# Altium PCB ROS-Robot-Controller.PcbDoc (part 2 of 2)
Units mm, origin at the board's own origin, x right, y up, seen from the top; angles counter-clockwise.
Board outline 50.09 x 64.29 mm, 2 copper layers (Top Layer, Bottom Layer); 98 components, 94 nets, 456 pads, 334 vias.
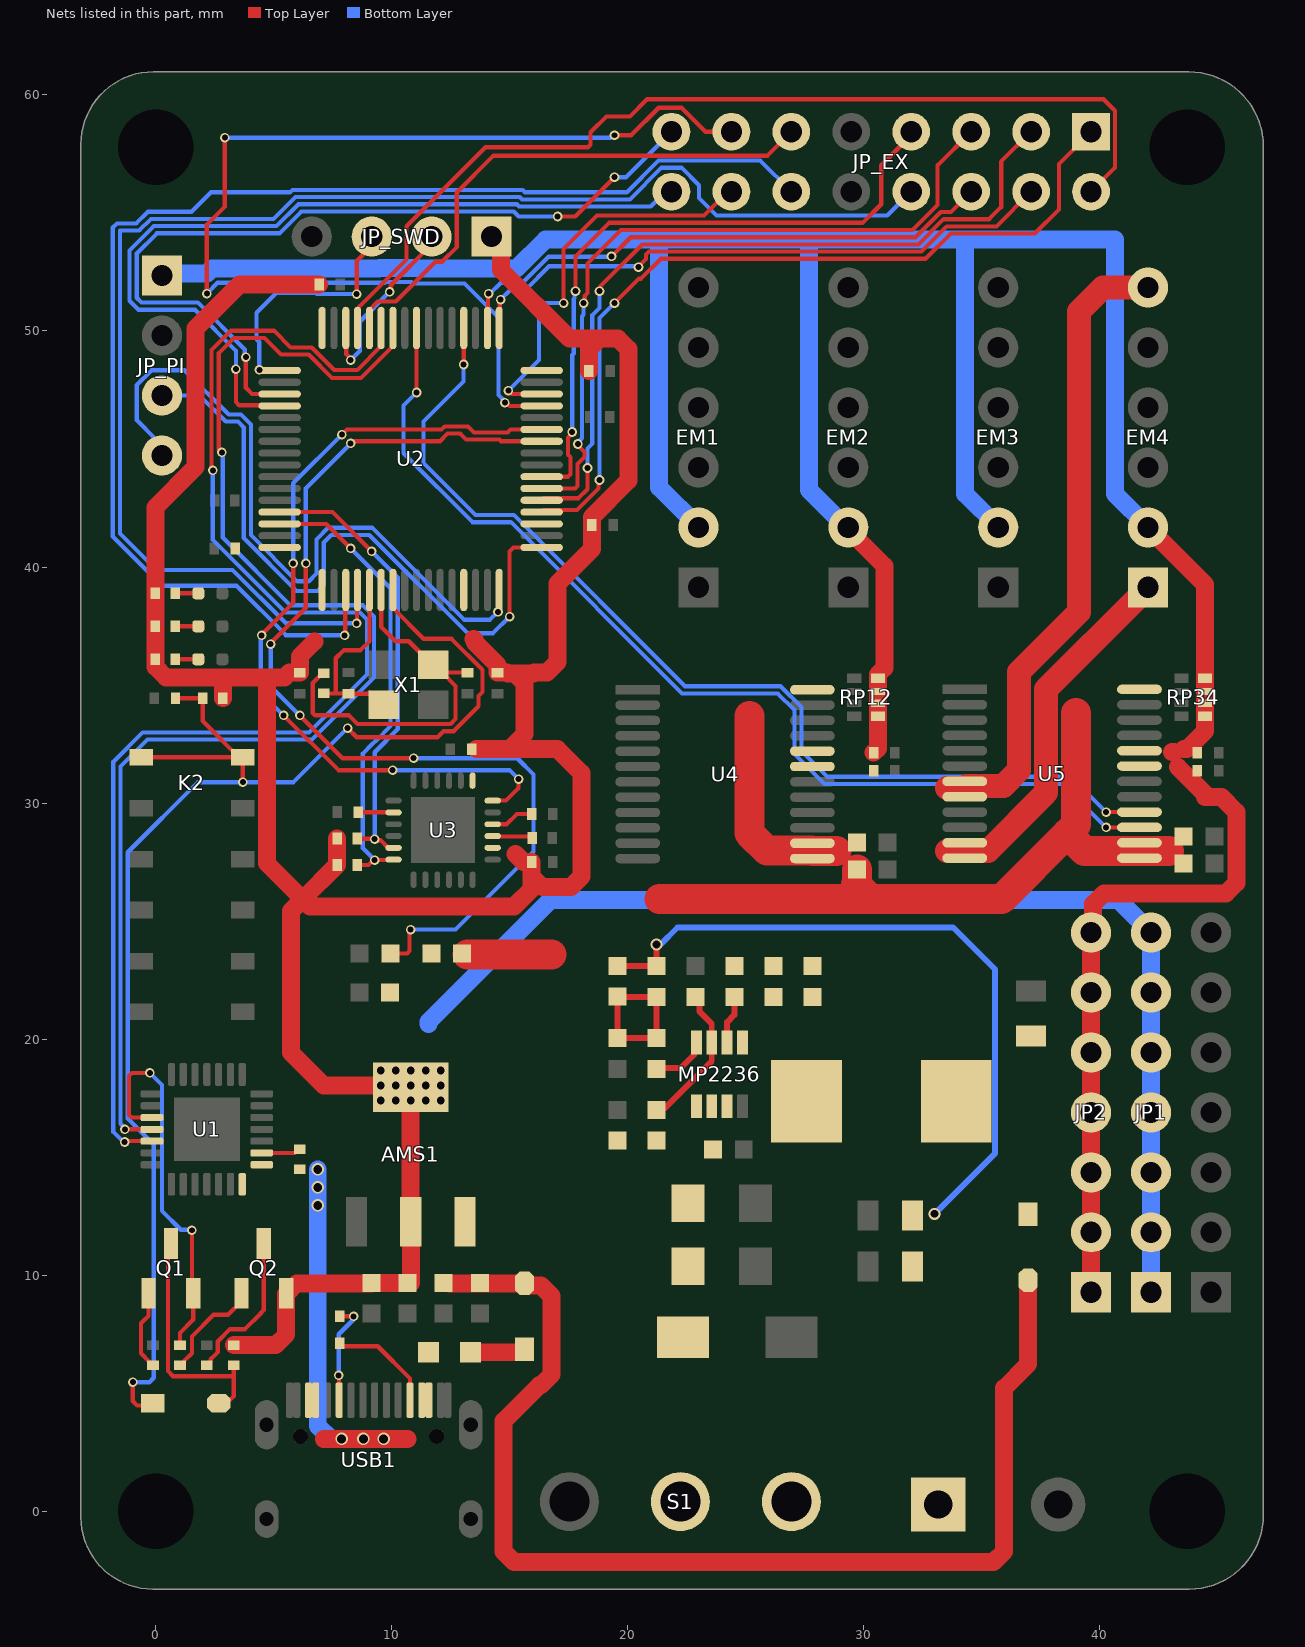
[diagram p2: the nets of this part, all layers, seen from the top]

## Via types
v1: diameter 0.406, hole 0.254, Top Layer to Bottom Layer, tented both sides, 311 vias
v2: diameter 0.508, hole 0.33, Top Layer to Bottom Layer, tented both sides, 17 vias
v3: diameter 0.533, hole 0.381, Top Layer to Bottom Layer, tented both sides, 6 vias

## Nets (pads, with @x,y where several pads share a name; then routed paths per layer and width w, separated by ;. In a path a pad name is that pad's centre, name@x,y a point inside that pad or via, vN(x,y) a via of type N, cw(c..) or ccw(c..) an arc to the next point about the centre after c; other vN are vias at no path point) (continued)
M4IN2: U2.36 U5.16 | length 44
  Top Layer w0.178: v1(13.039,48.579) 13.045,48.586 U2.36@13.045,50.127 ; v1(40.259,29.617) U5.16@41.673,29.617
  Bottom Layer w0.178: v1(13.039,48.579) 13.039,47.86 11.341,46.162 11.341,44.41 13.546,42.205 15.165,42.205 22.421,34.948 26.47,34.948 27.356,34.062 27.356,32.205 28.451,31.11 38.766,31.11 v1(40.259,29.617)
M4OUT1: EM4.1 U5.11 U5.12 | length 15.7
  Top Layer w1.016: 33.528,27.963 34.273,27.963 34.285,27.975 35.256,27.975 37.719,30.438 37.719,34.821 41.695,38.797 EM4.1@42.037,39.139
M4OUT2: EM4.6 U5.7 U5.8 | length 27.2
  Top Layer w1.016: 33.528,30.63 34.273,30.63 34.375,30.732 35.912,30.732 36.576,31.396 36.576,35.56 39.116,38.1 39.116,50.823 40.132,51.839 EM4.6@42.037,51.839
M4PWM: U2.40 U5.15 | length 44.4
  Top Layer w0.178: U2.40@11.045,50.127 11.047,50.125 11.047,47.396 v1(11.049,47.394) ; v1(40.259,28.967) U5.15@41.673,28.967
  Bottom Layer w0.178: v1(11.049,47.394) 10.497,46.842 10.497,44.822 13.42,41.9 15.039,41.9 22.295,34.643 26.344,34.643 27.051,33.936 27.051,32.079 28.325,30.805 38.421,30.805 v1(40.259,28.967)
MPU6050_INT: U2.27 U3.12 | length 35.3
  Top Layer w0.178: v1(4.483,37.107) 4.483,37.145 5.817,38.479 v1(5.817,40.155) ; v1(5.41,33.716) 7.734,31.392 v1(10.033,31.392) ; v1(7.878,45.612) 8.093,45.827 12.103,45.827 12.235,45.959 13.223,45.959 13.477,45.705 14.906,45.705 15.028,45.827 U2.27@16.345,45.827 ; U3.12@14.269,30.102 14.839,30.102 15.367,30.63 v1(15.367,31.011)
  Bottom Layer w0.178: v1(4.483,37.107) 4.445,37.069 4.445,34.681 v1(5.41,33.716) ; v1(5.817,40.155) 5.817,43.551 v1(7.878,45.612) ; v1(10.033,31.392) 14.986,31.392 v1(15.367,31.011)
MPU6050_SCL: R10.1 U2.61 U3.23 | length 19.3
  Top Layer w0.178: U2.61@5.245,42.327 7.48,42.327 v1(9.144,40.663) ; R10.1@8.528,28.497 8.541,28.484 9.258,28.484 9.315,28.427 9.519,28.427 9.844,28.102 U3.23@10.069,28.102
  Bottom Layer w0.178: v1(9.144,40.663) 10.249,39.558 10.249,33.132 9.271,32.154 v1(9.271,28.471)
MPU6050_SDA: R8.1 U2.62 U3.24 | length 19.7
  Top Layer w0.178: U2.62@5.245,41.827 7.218,41.827 v1(8.255,40.79) ; R8.1@8.528,27.38 9.007,27.38 9.209,27.582 v1(9.271,27.582) 9.281,27.592 10.059,27.592 U3.24@10.069,27.602
  Bottom Layer w0.178: v1(8.255,40.79) 9.944,39.101 9.944,33.259 9.323,32.637 9.304,32.637 9.144,32.477 8.769,32.102 8.769,31.646 8.763,31.641 8.763,28.09 v1(9.271,27.582)
NetC4_1: C4.1 MP2236.7 R7.2 | length 6.2
  Top Layer w0.254: R7.2@21.209,16.993 21.463,17.05 21.533,17.05 ccw(c21.373,17.247) 21.552,17.067 23.551,19.066 MP2236.7@23.551,19.854 23.551,20.649 23.025,21.175 23.025,21.624 C4.1@22.86,21.789
NetC5_1: C5.1 L1.1 MP2236.3
NetC5_2: C5.2 R2.2
NetC9_2: C9.2 R3.2 R4.1 R5.2 | length 6.8
  Top Layer w0.254: R5.2@19.558,20.041 R3.2@21.209,20.041 C9.2@21.209,21.789 19.573,21.789 R4.1@19.558,21.804 R5.2@19.558,20.041
NetC32_2: C32.2 U3.10 | length 1.8
  Top Layer w0.178: U3.10@14.269,29.102 14.855,29.102 15.292,29.539 C32.2@15.924,29.539
NetC33_1: C33.1 U3.20 | length 1.5
  Top Layer w0.178: C33.1@8.578,29.614 8.584,29.608 10.063,29.608 U3.20@10.069,29.602
NetD2_2: D2.2 Q1.3 R21.2 | length 10.4
  Top Layer w0.178: Q1.3@0.635,11.337 0.508,11.21 0.508,5.932 0.725,5.715 3.302,5.715 ; D2.2@2.67,4.699 2.706,4.735 3.167,4.735 3.302,4.87 3.302,5.715 ; R21.2@3.302,6.179 3.302,5.715
NetD4_1: D4.1 F1.2 | length 2.4
  Top Layer w0.762: F1.2@13.335,6.731 15.597,6.731 15.621,6.755 D4.1@15.621,6.855
NetLED_BLUE_1: LED_BLUE.1 R16.1 | length 1
  Top Layer w0.178: R16.1@0.827,36.091 LED_BLUE.1@1.799,36.091
NetLED_GREEN_1: LED_GREEN.1 R15.1 | length 1
  Top Layer w0.178: R15.1@0.827,37.488 LED_GREEN.1@1.799,37.488
NetLED_PW_1: LED_PW.1 R17.1 | length 1
  Top Layer w0.178: R17.1@0.827,38.885 LED_PW.1@1.799,38.885
NetMP2236_1: MP2236.1 R6.1 R7.1
NetMP2236_5: MP2236.5 R2.1
NetMP2236_6: MP2236.6 R1.2 | length 2.1
  Top Layer w0.254: MP2236.6@24.201,19.854 24.201,20.716 24.511,21.026 R1.2@24.511,21.789
NetMP2236_8: MP2236.8 R3.1 | length 2.4
  Top Layer w0.254: R3.1@21.209,18.741 21.244,18.775 22.245,18.775 22.799,19.33 22.799,19.753 MP2236.8@22.901,19.854
NetQ1_1: Q1.1 R22.2 | length 3.4
  Top Layer w0.178: Q1.1@-0.315,9.237 -0.315,8.275 -0.526,8.064 -0.531,8.064 -0.635,7.96 -0.635,6.687 -0.288,6.34 -0.288,6.29 -0.177,6.179 R22.2@-0.127,6.179
NetQ2_1: Q2.1 R23.2 | length 4.5
  Top Layer w0.178: R23.2@1.016,6.179 1.066,6.179 1.177,6.29 1.177,6.34 1.524,6.687 1.524,7.399 2.444,8.319 3.054,8.319 3.622,8.887 Q2.1@3.622,9.237
NetQ2_3: Q2.3 R24.1 | length 6.4
  Top Layer w0.178: R24.1@2.269,6.239 2.32,6.29 2.32,6.435 2.498,6.613 2.625,6.74 2.625,7.196 3.138,7.709 3.78,7.709 4.443,8.371 4.443,8.39 4.572,8.519 Q2.3@4.572,11.337
NetR11_2: R11.2 U3.9 | length 1.7
  Top Layer w0.178: U3.9@14.269,28.602 14.283,28.588 15.884,28.588 R11.2@15.949,28.523
NetR20_1: R20.1 U1.9 | length 1.7
  Top Layer w0.178: U1.9@4.483,15.175 5.891,15.175 6.046,15.33 R20.1@6.096,15.33
NetR25_2: R25.2 USB1.A5 | length 4.4
  Top Layer w0.178: v1(7.747,5.753) 7.757,5.743 7.757,4.712 USB1.A5@7.767,4.702 ; R25.2@7.902,8.366 R25.2@7.791,8.255 v1(8.382,8.255)
  Bottom Layer w0.178: v1(7.747,5.753) 7.747,7.493 v1@8.382,8.128
NetR26_2: R26.2 USB1.B5 | length 4.5
  Top Layer w0.178: R26.2@7.791,7.112 7.791,7.096 7.902,6.985 9.398,6.985 10.767,5.616 USB1.B5@10.767,4.702
NetS1_1: S1.1 VIN1.1
OSCIN: C35.1 R13.2 U2.5 X1.3 | length 8.8
  Top Layer w0.178: R13.2@7.239,34.65 7.248,34.641 7.62,34.641 7.701,34.641 ; X1.3@9.037,34.674 9.091,34.674 9.106,34.659 X1.3@9.106,34.632 ; U2.5@9.045,39.027 9.045,36.852 8.67,36.477 7.964,36.477 7.62,36.133 7.62,34.721 7.701,34.641 ; X1.3@9.652,34.163 X1.3@9.602,34.163 ; 7.701,34.641 8.153,34.641 C35.1@8.162,34.632 X1.3@9.106,34.632 ; X1.3@9.106,34.632 9.106,34.605 9.548,34.163 X1.3@9.602,34.163 ; X1.3@9.106,34.632 9.133,34.632 X1.3@9.602,34.163
OSCOUT: C10.1 R13.1 U2.6 X1.1 | length 16.5
  Top Layer w0.178: R13.1@7.112,35.5 7.062,35.5 6.646,35.084 6.646,33.82 6.75,33.716 8.175,33.716 8.544,33.347 12.491,33.347 12.7,33.556 12.7,34.965 X1.1@12.14,35.525 ; U2.6@9.545,39.027 9.545,37.468 10.16,36.853 10.712,36.853 11.702,35.863 11.802,35.863 X1.1@12.14,35.525 ; C10.1@13.208,35.525 X1.1@12.14,35.525
PA4: JP_EX.1 U2.20 | length 35.3
  Top Layer w0.178: U2.20@16.345,42.327 16.434,42.416 17.839,42.416 18.752,43.329 18.752,43.644 v1(18.796,43.688) ; v1(19.431,51.181) 20.467,52.217 20.552,52.217 21.393,53.058 32.611,53.058 33.68,54.127 37.236,54.127 38.26,55.151 38.26,57.079 38.913,57.732 JP_EX.1@39.624,58.443
  Bottom Layer w0.178: v1(18.796,43.688) 18.796,50.546 v1(19.431,51.181)
PA5: JP_EX.3 U2.21 | length 33.1
  Top Layer w0.178: U2.21@16.345,42.827 16.434,42.916 17.908,42.916 18.288,43.296 v1(18.288,44.196) ; v1(18.796,51.689) 18.84,51.733 18.84,51.902 19.032,52.095 20.606,53.668 32.309,53.668 33.378,54.737 35.306,54.737 35.814,55.245 35.814,57.173 JP_EX.3@37.084,58.443
  Bottom Layer w0.178: v1(18.288,44.196) 18.288,45.027 18.491,45.231 18.491,50.672 18.796,50.977 v1(18.796,51.689)
PA6: JP_EX.5 U2.22 | length 30.9
  Top Layer w0.178: U2.22@16.345,43.327 17.765,43.327 17.869,43.431 17.869,44.37 18.161,44.662 18.161,44.869 17.88,45.15 v1(17.88,45.212) ; v1(18.123,51.181) 18.167,51.225 18.167,51.483 18.288,51.604 18.288,52.855 19.71,54.277 32.052,54.277 33.119,55.344 33.119,57.018 JP_EX.5@34.544,58.443
  Bottom Layer w0.178: v1(17.88,45.212) 17.88,45.274 18.059,45.453 18.059,50.622 18.123,50.686 v1(18.123,51.181)
PA7: JP_EX.7 U2.23 | length 28.1
  Top Layer w0.178: U2.23@16.345,43.827 17.46,43.827 17.564,43.931 17.564,44.653 17.461,44.757 17.461,45.479 17.64,45.658 v1(17.64,45.72) ; v1(17.78,51.689) 17.78,53.159 19.203,54.582 29.944,54.582 30.732,55.37 30.732,57.021 32.004,58.293 JP_EX.7@32.004,58.443
  Bottom Layer w0.178: v1(17.64,45.72) 17.64,48.981 17.704,49.044 17.704,51.355 17.736,51.387 17.736,51.645 v1(17.78,51.689)
PA11: JP_EX.11 U2.44 | length 23.1
  Top Layer w0.178: U2.44@9.045,50.127 9.045,50.894 9.393,51.243 10.161,51.243 11.85,52.932 12.126,52.932 12.75,53.557 12.75,55.876 14.301,57.427 25.908,57.427 JP_EX.11@26.924,58.443
PA12: JP_EX.2 U2.45 | length 41.8
  Top Layer w0.178: U2.45@8.545,50.127 8.545,50.91 8.606,50.971 8.606,51.024 10.618,53.036 10.618,54.44 11.242,55.064 13.964,57.785 18.311,57.785 18.415,57.889 18.415,58.42 19.088,59.093 20.081,59.093 20.805,59.817 40.155,59.817 40.64,59.332 40.64,56.919 JP_EX.2@39.624,55.903
PB10: JP_EX.13 U2.29 | length 47.9
  Top Layer w0.178: v1(2.159,51.585) 2.159,54.506 2.921,55.268 v1(2.921,58.189) ; v1(14.783,46.962) 14.845,46.962 14.98,46.827 U2.29@16.345,46.827 ; v1(19.431,58.293) 20.138,58.293 21.304,59.459 22.265,59.459 23.281,58.443 JP_EX.13@24.384,58.443
  Bottom Layer w0.178: v1(2.159,51.585) 2.617,52.043 9.694,52.043 9.732,52.081 10.836,52.081 10.9,52.017 13.072,52.017 14.516,50.573 14.516,47.291 14.783,47.024 v1(14.783,46.962) ; v1(2.921,58.189) 19.265,58.189 19.369,58.293 v1(19.431,58.293)
PB11: JP_EX.14 U2.30 | length 17
  Top Layer w0.178: v1(14.938,47.473) 14.938,47.449 15.06,47.327 U2.30@16.345,47.327 ; v1(17.272,51.181) 17.272,53.467 18.692,54.887 23.217,54.887 24.232,55.903 JP_EX.14@24.384,55.903
  Bottom Layer w0.178: v1(14.938,47.473) 16.232,48.767 16.232,50.926 16.487,51.181 v1(17.272,51.181)
PB12: JP_EX.4 U2.33 | length 25.8
  Top Layer w0.178: U2.33@14.545,50.127 14.568,50.15 14.568,51.294 v1(14.605,51.331) ; v1(20.447,52.705) 20.447,52.728 20.768,53.049 20.768,53.237 20.893,53.363 32.435,53.363 33.504,54.432 35.613,54.432 JP_EX.4@37.084,55.903
  Bottom Layer w0.178: v1(14.605,51.331) 15.012,51.738 15.658,51.738 16.66,52.741 20.411,52.741 v1(20.447,52.705)
PB13: JP_EX.6 U2.34 | length 24.1
  Top Layer w0.178: U2.34@14.045,50.127 14.068,50.15 14.068,51.556 v1(14.097,51.585) ; v1(19.304,53.16) 20.117,53.973 32.183,53.973 33.252,55.042 33.683,55.042 JP_EX.6@34.544,55.903 JP_EX.6@34.159,55.903
  Bottom Layer w0.178: v1(14.097,51.585) 14.159,51.585 14.617,52.043 15.532,52.043 16.636,53.147 19.291,53.147 v1(19.304,53.16)
PC10: JP_EX.15 U2.51 | length 35.5
  Top Layer w0.178: v1(3.81,48.895) 3.81,47.595 4.078,47.327 U2.51@5.245,47.327 ; v1(17.018,54.851) 17.767,54.851 v1(19.431,56.515)
  Bottom Layer w0.178: v1(3.81,48.895) 3.766,48.939 3.766,49.215 1.777,51.204 -0.608,51.204 -0.812,51.408 -0.812,53.286 0.04,54.138 5.236,54.138 6.162,55.064 15.163,55.064 15.376,54.851 v1(17.018,54.851) ; v1(19.431,56.515) 19.916,56.515 JP_EX.15@21.844,58.443
PC11: JP_EX.16 U2.52 | length 35.7
  Top Layer w0.178: v1(3.391,48.387) 3.391,46.993 3.533,46.85 5.222,46.85 U2.52@5.245,46.827
  Bottom Layer w0.178: v1(3.391,48.387) 3.391,49.159 1.651,50.899 -0.735,50.899 -1.117,51.281 -1.117,53.413 -0.087,54.443 5.11,54.443 6.036,55.369 15.29,55.369 15.388,55.27 20.968,55.27 21.601,55.903 JP_EX.16@21.844,55.903
PC14: JP_EX.12 U2.3 | length 57.1
  Top Layer w0.178: v1(8.001,37.107) 8.023,37.129 8.023,39.005 U2.3@8.045,39.027
  Bottom Layer w0.178: v1(8.001,37.107) 7.995,37.113 5.505,37.113 3.412,39.206 0.264,39.206 -1.829,41.299 -1.829,54.378 -1.65,54.557 -0.835,54.557 -0.339,55.052 1.513,55.052 2.341,55.88 5.685,55.88 5.784,55.978 15.542,55.978 15.64,55.88 19.953,55.88 21.297,57.224 25.603,57.224 JP_EX.12@26.924,55.903
PC15: JP_EX.8 U2.4 | length 62.2
  Top Layer w0.178: v1(8.509,37.615) 8.527,37.633 8.527,39.009 U2.4@8.545,39.027
  Bottom Layer w0.178: v1(8.509,37.615) 5.515,37.615 3.252,39.878 0.023,39.878 -1.524,41.425 -1.524,54.252 -0.708,54.252 -0.213,54.748 4.984,54.748 5.91,55.674 15.416,55.674 15.514,55.575 20.08,55.575 21.423,56.919 22.265,56.919 23.007,56.177 23.007,55.629 23.749,54.887 30.988,54.887 JP_EX.8@32.004,55.903
RESET: C11.2 D2.1 K2.1 K2.2 R14.1 U2.7 | length 60
  Top Layer w0.178: v1(-0.978,5.461) -0.978,4.661 -0.793,4.476 -0.226,4.476 D2.1@-0.13,4.572 ; K2.1@-0.626,31.936 K2.2@3.524,31.936 ; C11.2@0.831,34.44 R14.1@1.988,34.44 1.988,33.472 K2.2@3.524,31.936 ; K2.2@3.674,31.743 3.695,31.743 3.683,31.731 v1(3.683,30.884) ; K2.2@3.674,31.936 K2.2@3.524,31.936 ; v1(8.122,33.176) 8.509,32.789 11.933,32.789 12.187,33.042 12.618,33.042 13.674,34.098 13.674,34.529 13.843,34.699 13.843,35.645 12.531,36.957 11.348,36.957 10.045,38.26 U2.7@10.045,39.027
  Bottom Layer w0.178: v1(-0.978,5.461) -0.277,5.461 -0.089,5.649 -0.089,15.535 -1.193,16.639 -1.193,27.913 1.778,30.884 v1(3.683,30.884) 5.829,30.884 v1(8.122,33.176)
RTS: Q1.2 R23.1 U1.24 | length 16.9
  Top Layer w0.178: v1(-0.254,18.565) -1.016,18.565 -1.143,18.438 -1.143,16.787 -1.031,16.675 U1.24@-0.165,16.675 ; R23.1@1.016,7.029 1.016,7.543 1.585,8.112 Q1.2@1.585,9.237 ; Q1.2@1.524,8.686 1.524,9.237 v1(1.524,11.9)
  Bottom Layer w0.178: v1(-0.254,18.565) 0.254,18.057 0.254,12.723 1.054,11.923 1.501,11.923 v1(1.524,11.9)
SWCLK: JP_SWD.3 U2.49 | length 10.7
  Top Layer w0.178: v1(4.38,48.35) 4.404,48.327 U2.49@5.245,48.327 ; v1(8.509,51.562) 8.509,52.966 9.144,53.601 JP_SWD.3@9.144,53.998
  Bottom Layer w0.178: v1(4.38,48.35) 4.38,49.536 4.267,49.649 4.267,50.772 5.119,51.624 6.752,51.624 6.814,51.562 v1(8.509,51.562)
SWDIO: JP_SWD.2 U2.46 | length 8.1
  Top Layer w0.178: U2.46@8.045,50.127 8.068,50.104 8.068,49.016 8.255,48.83 v1(8.255,48.768) ; v1(9.906,51.662) 9.95,51.706 9.95,51.937 11.684,53.671 JP_SWD.2@11.684,53.998
  Bottom Layer w0.178: v1(8.255,48.768) 8.636,49.149 8.636,50.392 v1(9.906,51.662)
USART1_RX_DEBUG: U1.26 U2.43 | length 57.8
  Top Layer w0.178: v1(-1.321,15.638) -1.284,15.675 U1.26@-0.165,15.675 U1.26@0.089,15.675 ; v1(2.413,44.092) 2.362,44.143 2.362,48.917 2.362,49.198 3.176,50.013 3.458,50.013 5.001,50.013 5.711,49.303 6.602,49.303 7.556,48.349 8.534,48.349 9.545,49.36 U2.43@9.545,50.127
  Bottom Layer w0.178: v1(-1.321,15.638) -1.377,15.638 -1.802,16.063 -1.802,31.749 -0.559,32.992 6.483,32.992 8.941,35.45 8.941,37.776 8.644,38.072 5.489,38.072 2.413,41.148 v1(2.413,44.092)
USART1_TX_DEBUG: U1.25 U2.42 | length 57.1
  Top Layer w0.178: v1(-1.318,16.171) -1.314,16.175 U1.25@-0.165,16.175 U1.25@0.089,16.175 ; v1(2.794,44.854) 2.667,44.981 2.667,48.791 2.667,49.072 3.303,49.708 3.584,49.708 4.599,49.708 5.309,48.998 6.476,48.998 7.467,48.006 8.691,48.006 10.045,49.36 U2.42@10.045,50.127
  Bottom Layer w0.178: v1(-1.318,16.171) -1.318,16.233 -1.497,16.413 -1.497,31.546 -0.356,32.687 6.609,32.687 9.246,35.324 9.246,37.902 8.771,38.377 5.709,38.377 2.832,41.254 2.832,44.816 v1(2.794,44.854)
USART2_RX_PI: JP_PI.3 U2.17 | length 29.2
  Top Layer w0.178: v1(14.986,37.894) 14.986,40.663 15.15,40.827 U2.17@16.345,40.827
  Bottom Layer w0.178: JP_PI.3@0.254,47.267 1.855,47.267 2.96,46.162 3.476,46.162 3.721,45.917 3.721,41.227 5.961,38.987 6.852,38.987 7.112,39.247 7.112,41.044 7.43,41.362 9.038,41.362 13.202,37.197 14.289,37.197 v1(14.986,37.894)
USART2_TX_PI: JP_PI.4 U2.16 | length 29.9
  Top Layer w0.178: v1(14.494,38.099) 14.522,38.127 14.522,39.004 U2.16@14.545,39.027
  Bottom Layer w0.178: JP_PI.4@0.254,44.727 -0.037,45.018 -0.037,45.45 -0.812,46.225 -0.812,47.709 -0.188,48.333 1.22,48.333 3.086,46.467 3.602,46.467 4.026,46.043 4.026,41.353 5.986,39.393 6.477,39.393 6.807,39.723 6.807,41.17 7.303,41.666 9.164,41.666 13.062,37.769 14.16,37.769 14.49,38.099 v1(14.494,38.099)
USB_5V: AMS1.3 C27.2 C28.2 D3.2 D4.2 | length 49.8
  Top Layer w0.762: C28.2@12.444,9.652 C27.2@13.728,9.652 ; C27.2@13.728,9.667 13.743,9.652 15.621,9.652 D4.2@15.621,9.655 15.621,9.578 15.64,9.559 16.318,9.559 16.764,9.113 16.764,5.78 16.318,5.334 16.256,5.334 14.732,3.81 14.732,-1.713 15.178,-2.159 35.495,-2.159 35.941,-1.713 35.941,5.207 36.957,6.223 D3.2@36.957,9.776
USB_5VIN: F1.1 R20.2 U1.7 U1.8 USB1.A4 USB1.A9 USB1.B4 USB1.B9 | length 18
  Top Layer w0.762: 7.112,3.048 10.668,3.048
  Bottom Layer w0.762: v3(6.858,14.478) v3(6.858,13.716) v3(6.858,12.954) 6.858,3.609 7.419,3.048 10.16,3.048
  other v3: 7.872,3.058 8.787,3.058 9.65,3.058
VCC3V3: AMS1.2 AMS1.4 C21.2 C22.2 C23.2 C24.2 C25.2 C26.2 C29.2 C30.2 C31.2 C34.1 JP1.1 JP1.2 JP1.3 JP1.4 JP1.5 JP1.6 JP1.7 JP_SWD.1 Q2.2 R8.2 R10.2 R14.2 R15.2 R16.2 R17.2 R21.1 U2.1 U2.13 U2.19 U2.32 U2.48 U2.64 U3.8 U3.13 | length 177.8
  Top Layer w0.762: R14.2@2.838,34.44 2.838,35.246 2.921,35.329 ; R21.1@3.302,7.029 5.076,7.029 5.522,7.475 5.522,9.206 5.968,9.652 9.129,9.652 C29.2@9.144,9.667 ; 4.943,35.329 4.699,35.329 ; 4.957,35.329 5.457,35.329 5.653,35.525 C26.2@6.096,35.525 6.096,36.218 6.731,36.853 ; C24.2@6.916,51.966 3.546,51.966 1.684,50.104 1.684,44.236 -0.023,42.529 R17.2@-0.023,38.885 R15.2@-0.023,37.488 R16.2@-0.023,36.091 -0.023,35.773 0.421,35.329 2.921,35.329 ; R10.2@7.678,28.497 R8.2@7.678,27.38 6.223,25.925 ; C29.2@9.283,9.667 C30.2@10.668,9.667 10.807,9.667 AMS1.2@10.807,12.263 ; AMS1.4@9.96,17.678 9.604,18.034 v2(9.525,18.034) 7.112,18.034 5.715,19.431 5.715,23.585 5.723,23.593 5.723,25.425 6.223,25.925 ; AMS1.2@10.795,12.263 v2(10.795,17.399) AMS1.4@10.795,17.963 AMS1.4@10.851,17.907 ; 13.467,36.947 13.525,36.888 13.525,36.807 14.478,35.854 C25.2@14.478,35.525 14.877,35.525 14.908,35.494 15.205,35.494 ; 13.589,32.281 14.986,32.281 ; JP_SWD.1@14.224,53.998 14.612,53.61 14.612,52.594 17.526,49.68 18.792,49.68 ; 15.24,27.836 15.569,27.507 C31.2@15.924,27.507 15.924,26.885 ; C22.2@18.346,48.306 18.346,49.234 18.792,49.68 ; 2.921,35.329 4.699,35.329 ; 4.699,35.329 4.699,27.449 6.223,25.925 ; 6.223,25.925 6.534,25.614 15.177,25.614 15.924,26.361 15.924,26.885 ; 14.986,32.281 17.018,32.281 18.034,31.265 18.034,26.885 17.588,26.439 16.37,26.439 15.924,26.885 ; 14.986,32.281 15.621,32.916 15.621,35.079 15.205,35.494 ; 15.205,35.494 15.995,35.494 16.026,35.525 16.572,35.525 17.018,35.971 17.018,39.306 18.473,40.761 C21.2@18.473,41.783 18.473,42.118 20.015,43.66 20.015,49.234 19.569,49.68 18.792,49.68
  Bottom Layer w0.762: 11.557,20.644 11.557,20.734 16.715,25.892 40.783,25.892 JP1.7@42.164,24.511 ; JP1.1@42.164,9.294 42.164,11.834 42.164,14.374 42.164,16.914 42.164,19.454 42.164,21.994 JP1.7@42.164,24.534
  other v2: 9.525,17.399 10.16,17.399 11.43,17.399 12.065,17.399 10.16,18.034 10.795,18.034 11.43,18.034 12.065,18.034 9.525,18.669 10.16,18.669 10.795,18.669 11.43,18.669 12.065,18.669
VCC5V: C6.2 C7.2 C8.2 C9.1 C17.1 C18.2 C19.1 C20.2 D3.1 EM1.2 EM2.2 EM3.2 EM4.2 JP2.1 JP2.2 JP2.3 JP2.4 JP2.5 JP2.6 JP2.7 JP_PI.1 L1.2 R4.2 RP12.5 RP12.6 RP12.7 RP12.8 RP34.5 RP34.6 RP34.7 RP34.8 U4.19 U4.20 U5.19 U5.20 | length 172.5
  Top Layer w0.254: R4.2@19.558,23.104 21.194,23.104 C9.1@21.209,23.089 ; C9.1@21.209,22.962 21.209,23.104 v2(21.209,24.003)
  Top Layer w0.762: EM2.2@29.337,41.679 29.337,41.576 30.861,40.052 30.861,35.724 30.591,35.454 RP12.8@30.591,35.278 RP12.7@30.591,34.728 RP12.6@30.591,34.228 RP12.5@30.591,33.678 30.591,32.311 C18.2@30.411,32.131 ; JP2.1@39.624,9.271 JP2.2@39.624,11.811 JP2.3@39.624,14.351 JP2.4@39.624,16.891 JP2.5@39.624,19.431 JP2.6@39.624,21.971 JP2.7@39.624,24.511 39.714,24.601 39.714,25.716 40.16,26.162 45.33,26.162 45.776,26.608 45.776,29.62 45.147,30.249 44.45,30.249 44.45,30.376 43.307,31.519 ; EM4.2@42.037,41.679 44.45,39.266 RP34.8@44.45,35.278 RP34.7@44.45,34.728 RP34.6@44.45,34.228 RP34.5@44.45,33.678 44.45,33.043 43.688,32.281 43.561,32.281 ; 43.053,32.154 43.144,32.154
  Bottom Layer w0.254: v2(21.209,24.003) 21.376,24.003 22.098,24.725 33.782,24.725 35.56,22.947 35.56,15.162 v2(32.993,12.595)
  Bottom Layer w0.762: JP_PI.1@0.254,52.347 0.343,52.436 2.166,52.436 2.37,52.64 9.447,52.64 9.485,52.678 11.084,52.678 11.121,52.64 15.284,52.64 16.515,53.871 21.324,53.871 ; EM1.2@22.987,41.679 22.987,41.711 21.324,43.374 21.324,53.871 ; EM2.2@29.337,41.679 29.255,41.679 27.674,43.26 27.674,53.871 ; EM3.2@35.687,41.679 35.687,41.704 34.29,43.101 34.29,53.871 ; EM4.2@42.037,41.679 42.037,41.704 40.64,43.101 40.64,53.871 34.29,53.871 ; 21.324,53.871 27.674,53.871 ; 27.674,53.871 34.29,53.871
VCC12V: C1.2 C2.2 C3.2 C13.2 C14.2 C15.2 C16.2 D1.2 MP2236.2 R1.1 R18.2 S1.2 U4.13 U4.14 U4.24 U5.13 U5.14 U5.24 | length 42.2
  Top Layer w1.27: R18.2@13.208,23.591 16.764,23.591 ; 21.336,25.931 30.289,25.931 ; 25.146,33.686 25.146,28.727 25.889,27.984 27.792,27.984 27.813,27.963 28.829,27.963 ; 29.654,26.566 30.289,25.931 ; 29.703,26.675 C13.2@29.703,27.178 ; 38.989,33.805 38.989,29.088 38.608,28.707 ; 42.926,27.963 39.352,27.963 38.608,28.707 ; 30.289,25.931 35.832,25.931 38.608,28.707
VIN_ADC: C12.2 R18.1 R19.2 U2.26 | length 44.8
  Top Layer w0.178: v1(4.864,36.73) 4.864,36.772 6.35,38.258 v1(6.35,40.155) ; v1(6.096,33.716) 7.912,31.9 v1(10.922,31.9) ; v1(8.255,45.235) 8.347,45.327 12.034,45.327 12.361,45.654 12.893,45.654 13.147,45.4 14.553,45.4 14.626,45.327 U2.26@16.345,45.327 ; R19.2@9.936,23.622 10.647,23.622 10.751,23.726 10.751,24.594 v1(10.795,24.638) ; R18.1@11.386,23.907 R18.1@11.678,23.615
  Bottom Layer w0.178: v1(4.864,36.73) 4.864,34.948 v1(6.096,33.716) ; v1(6.35,40.155) 6.35,43.33 v1(8.255,45.235) ; v1(10.795,24.638) 12.7,24.638 16.002,27.94 16.002,31.207 15.309,31.9 v1(10.922,31.9)
pads on no net: S1.3 U1.1 U1.2 U1.6 U1.10 U1.11 U1.12 U1.13 U1.14 U1.15 U1.16 U1.17 U1.18 U1.19 U1.20 U1.21 U1.22 U1.23 U1.27 U3. U3.2 U3.3 U3.4 U3.5 U3.6 U3.7 U3.14 U3.15 U3.16 U3.17 U3.19 U3.21 U3.22 USB1.0 USB1.A8 USB1.B8

## Polygon pours and split planes (outlines as drawn)
USB_5VIN on Top Layer "USB_5VIN_L01_P008" (solid, remove dead copper, pour order 8): 3.937,14.882 7.239,14.882 7.239,14.11 4.232,14.11 4.059,13.998 3.954,13.359 3.429,13.368 3.429,14.501
USB_5VIN on Top Layer "USB_5VIN_L01_P009" (solid, remove dead copper, pour order 9): 11.684,4.468 11.176,4.468 11.176,7.366 12.065,7.366 12.065,6.223 11.684,6.223
USB_5V on Top Layer "USB_5V_L01_P010" (solid, remove dead copper, pour order 10): 13.727,13.462 13.728,10.541 14.363,9.906 14.363,9.144 11.938,9.144 11.938,10.021 12.585,10.668 12.585,13.462
NetC5_1 on Top Layer "NETC5_1_L01_P040" (solid, remove dead copper, pour order 40): 24.003,16.597 24.003,18.375 24.384,18.756 25.408,18.756 27.178,20.808 27.178,22.312 28.448,22.312 28.448,20.661 29.337,20.026 29.337,15.454 25.908,15.454 25.908,17.232 25.273,17.867 24.519,17.867 24.384,17.731 24.384,16.597
NetMP2236_5 on Top Layer "NETMP2236_5_L01_P044" (solid, remove dead copper, pour order 44): 24.638,19.264 24.638,20.534 25.654,21.55 25.654,22.312 26.67,22.312 26.67,21.169 26.035,20.534 25.527,20.534 25.146,20.153 25.146,19.264
NetMP2236_1 on Top Layer "NETMP2236_1_L01_P045" (solid, remove dead copper, pour order 45): 22.606,17.74 23.114,17.74 23.114,16.724 21.59,15.2 18.923,15.2 18.923,16.089 21.844,16.089 22.606,16.851
NetC5_2 on Top Layer "NETC5_2_L01_P047" (solid, remove dead copper, pour order 47): 28.321,23.582 28.321,22.566 25.654,22.566 25.654,23.582
no net on Top Layer "NONET_L01_P058" (solid, pour order 58): 13.208,34.798 13.208,34.625
VCC12V on Top Layer "VCC12V_L01_P037" (solid, remove dead copper, pour order 37): 14.732,23.499 20.701,26.543 20.701,24.257 18.314,23.142 18.415,15.073 18.796,14.692 21.844,14.692 23.241,16.089 23.241,17.74 23.808,17.74 23.811,17.064 23.808,15.962 24.03,15.835 24.03,14.494 23.622,14.229 23.622,8.469 17.272,8.469 17.272,10.922 14.732,13.462
GND on Top Layer "GND_L01_P055" (solid, remove dead copper, pour order 55): -3.81,62.103 47.879,62.103 47.879,-4.318 -3.81,-4.318
VIN_ADC on Top Layer "VIN_ADC_L01_P013" (solid, remove dead copper, pour order 13): 12.065,23.093 10.453,23.067 10.445,21.465 9.413,21.461 9.413,24.107 12.065,24.107
VCC5V on Top Layer "VCC5V_L01_P039" (solid, remove dead copper, pour order 39): 31.496,20.828 31.496,8.128 35.687,8.128 35.687,11.43 38.221,11.43 38.221,8.128 40.894,8.128 40.894,20.828
NetS1_1 on Top Layer "NETS1_1_L01_P053" (solid, pour order 53): 25.273,2.159 25.273,-1.27 34.671,-1.27 34.671,2.159
VCC12V on Top Layer "VCC12V_L01_P048" (solid, pour order 48): 23.622,-1.143 23.622,5.802 23.622,9.612 17.272,9.525 17.272,5.08 19.207,5.08 19.207,-1.143
VCC12V on Top Layer "VCC12V_L01_P001" (solid, remove dead copper, pour order 1): 24.511,29.337 25.019,28.598 28.956,28.598 29.21,29.106 30.226,29.106 30.226,26.035 21.689,26.388
VCC12V on Top Layer "VCC12V_L01_P052" (solid, remove dead copper, pour order 52): 37.615,28.598 42.943,28.598 42.943,26.584 42.902,26.543 39.116,26.543 36.83,24.257 35.179,24.257 35.179,26.543 35.687,26.543 35.687,26.67
VCC12V on Top Layer "VCC12V_L01_P051" (solid, remove dead copper, pour order 51): 20.701,26.543 35.687,26.543 35.687,24.257 25.015,24.257 25.011,22.582 24.012,22.577 24.003,24.257 20.701,24.257
VCC12V on Top Layer "VCC12V_L01_P003" (solid, remove dead copper, pour order 3): 28.829,34.567 25.908,34.567 25.781,34.44 25.781,33.17 24.511,33.17 24.638,34.798 25.075,35.329 28.829,35.329
M3OUT2 on Top Layer "M3OUT2_L01_P025" (solid, remove dead copper, pour order 25): 33.437,32.533 35.42,32.524 35.449,31.371 33.271,31.356 32.258,32.258 32.893,33.02
M3OUT1 on Top Layer "M3OUT1_L01_P024" (solid, remove dead copper, pour order 24): 35.179,35.052 35.179,33.909 33.19,33.909 33.19,35.062 33.196,35.062 33.274,36.195 34.29,36.195 34.544,35.179
VCC3V3 on Top Layer "VCC3V3_L01_P021" (solid, remove dead copper, pour order 21): 13.304,30.653 13.208,32.027 13.208,32.535 13.558,32.535 13.558,31.288 13.558,30.653
VCC3V3 on Top Layer "VCC3V3_L01_P020" (solid, remove dead copper, pour order 20): 13.97,28.217 15.367,28.217 15.621,27.963 15.113,27.455 14.605,27.963 13.97,27.963
VCC3V3 on Top Layer "VCC3V3_L01_P019" (solid, remove dead copper, pour order 19): 7.279,41.044 7.276,38.158 7.112,36.853 6.096,36.726 6.477,37.359 6.827,38.123 6.827,41.044
VCC3V3 on Top Layer "VCC3V3_L01_P014" (solid, remove dead copper, pour order 14): 15.494,42.06 18.796,42.06 18.796,41.552 17.526,41.552 15.494,41.552
VCC3V3 on Top Layer "VCC3V3_L01_P018" (solid, remove dead copper, pour order 18): 13.278,40.028 13.276,38.158 13.843,37.107 13.208,36.853 12.827,37.319 12.827,40.028
VCC3V3 on Top Layer "VCC3V3_L01_P017" (solid, remove dead copper, pour order 17): 7.239,40.536 3.048,40.536 3.048,41.044 4.064,41.044 7.239,41.044
VCC3V3 on Top Layer "VCC3V3_L01_P016" (solid, remove dead copper, pour order 16): 6.731,49.172 6.731,52.347 7.239,52.347 7.239,49.172
VCC3V3 on Top Layer "VCC3V3_L01_P015" (solid, remove dead copper, pour order 15): 15.494,48.56 18.796,48.56 18.796,48.052 17.526,48.052 15.494,48.052
USB_5VIN on Top Layer "USB_5VIN_L01_P012" (solid, remove dead copper, pour order 12): 11.176,5.484 11.684,5.484 11.684,3.96 11.43,3.452 11.049,2.69 10.033,2.69 10.033,3.452 10.783,3.602 11.176,3.896
USB_5VIN on Top Layer "USB_5VIN_L01_P011" (solid, remove dead copper, pour order 11): 6.35,5.484 6.35,3.96 6.604,3.452 6.858,2.69 8.382,2.69 8.382,3.452 7.366,3.452 6.985,3.706 6.858,3.96 6.858,5.484
VCC5V on Top Layer "VCC5V_L01_P007" (solid, remove dead copper, pour order 7): 40.657,32.426 42.816,32.426 43.07,32.68 44.45,32.68 44.45,30.902 43.434,30.902 42.943,31.283 40.657,31.283
VCC5V on Top Layer "VCC5V_L01_P006" (solid, remove dead copper, pour order 6): 26.797,32.408 28.956,32.408 29.21,32.662 30.734,32.662 30.734,30.884 30.077,30.884 29.083,31.265 26.797,31.265
VCC12V on Top Layer "VCC12V_L01_P005" (solid, remove dead copper, pour order 5): 40.657,28.489 42.799,28.598 43.07,29.124 44.086,29.124 44.086,26.584 42.943,26.584 42.672,27.201 40.657,27.346
VCC12V on Top Layer "VCC12V_L01_P004" (solid, remove dead copper, pour order 4): 42.689,34.585 39.769,34.585 39.243,34.059 39.243,33.188 37.973,33.188 37.973,34.821 38.499,35.347 42.689,35.347
VCC3V3 on Bottom Layer "VCC3V3_L02_P050" (solid, remove dead copper, pour order 50): 11.176,22.479 9.112,19.064 9.144,16.891 12.446,16.891 12.458,19.064 16.637,26.289
GND on Bottom Layer "GND_L02_P054" (solid, remove dead copper, pour order 54): -3.81,63.119 -3.81,-4.318 47.752,-4.318 47.752,63.119

## Keep-outs
Keep-Out Layer:
  the board outline again, w1.27

## Other copper
Bottom Layer:
  pour cut-out: 15.748,2.159 35.052,2.159 35.052,-1.397 15.748,-1.397

## Silkscreen, mask and mechanical layers (free items; w line width, h text height)
Top Overlay:
  drawing of 360 lines, arcs and shapes, not listed
  text "EXIO" at 18.542,59.639 h2.29 r270
  text "5V" at -2.794,53.659 h1.65 r270
  text "GND" at 3.903,52.07 h0.64
  text "CLK" at 8.348,52.07 h0.64
  text "DIO" at 10.761,52.07 h0.64
  text "3V3" at 13.301,52.07 h0.64
  text "树莓派" at 1.524,51.667 h2.03 r270
  text "GND" at -2.794,51.416 h1.65 r270
  text "RX" at -2.794,48.111 h1.65 r270
  text "TX" at -2.794,45.823 h1.65 r270
  text "POWER" at 3.161,38.354 h1.27
  text "GREEN" at 3.132,36.957 h1.27
  text "STM32 / F103 / RCT6" at 15.105,36.322 h1.78
  text "BLUE" at 3.15,35.56 h1.27
  text "RESET" at -2.794,33.613 h1.78 r270
  text "MPU6050" at 5.904,31.623 h1.52
  text "KEY1" at -2.794,28.529 h1.78 r270
  text "TB6612FNG" at 24.892,26.999 h1.78 r90
  text "TB6612FNG" at 38.735,26.999 h1.78 r90
  text "KEY2" at -2.794,24.421 h1.78 r270
  text "X" at 14.148,20.955 h0.76
  text "Y" at 13.259,20.066 h0.76
  text "CP2102" at -2.794,19.078 h1.78 r270
  text "AMS1117" at 14.859,18.233 h1.52 r270
  text "MP2236" at 17.907,12.699 h1.52 r270
  text "5V" at 38.293,6.477 h1.78
  text "3V3" at 40.422,6.477 h1.78
  text "GND" at 42.973,6.477 h1.78
  text "12V+" at 30.353,5.207 h3.05
  text "关<------->开" at 15.737,3.937 h2.29
  text "TYPE-C" at 6.476,-1.016 h1.52
Bottom Overlay:
  drawing of 1767 lines, arcs and shapes, not listed
  text "C10" at 20.857,60.325 h1.27 r180
  text "B10" at 23.397,60.325 h1.27 r180
  text "A11" at 25.937,60.325 h1.27 r180
  text "A8" at 28.477,60.325 h1.27 r180
  text "A7" at 31.017,60.325 h1.27 r180
  text "A6" at 33.557,60.325 h1.27 r180
  text "A5" at 36.097,60.325 h1.27 r180
  text "A4" at 38.637,60.325 h1.27 r180
  text "CLK" at 6.677,57.023 h2.54 r180
  text "DIO" at 10.972,57.023 h2.54 r180
  text "GND" at 1.297,54.864 h2.54 r180
  text "3V3" at 15.741,54.864 h2.54 r180
  text "C11" at 20.73,54.737 h1.27 r180
  text "B11" at 23.27,54.737 h1.27 r180
  text "C14" at 25.795,54.737 h1.27 r180
  text "C13" at 28.346,54.737 h1.27 r180
  text "C12" at 30.89,54.737 h1.27 r180
  text "B13" at 33.557,54.737 h1.27 r180
  text "B12" at 36.097,54.737 h1.27 r180
  text "A12" at 38.483,54.737 h1.27 r180
  text "OUT2" at 30.303,52.451 h2.03 r180
  text "GND" at 30.176,49.911 h2.03 r180
  text "EB" at 30.049,47.371 h2.03 r180
  text "EA" at 30.049,44.831 h2.03 r180
  text "5V" at 30.049,42.291 h2.03 r180
  text "OUT1" at 30.176,39.878 h2.03 r180
  text "M1" at 20.887,37.719 h3.56 r180
  text "M2" at 27.229,37.719 h3.56 r180
  text "M3" at 33.584,37.719 h3.56 r180
  text "M4" at 39.901,37.592 h3.56 r180
  text "FanZiqi" at 8.731,32.667 h5.59 r180
  text "ROS" at 31.227,32.576 h9.4 r180
  text "Designed by" at 8.702,28.804 h3.3 r180
  text "@Github fan-ziqi" at 0.33,24.003 h3.56 r180
  text "Ver 5.2" at 27.803,23.457 h4.06 r180
  text "ROS机器人四电机驱动控制板" at 0.794,18.61 h3.05 r180
  text "ROS-Controller" at 0.94,14.605 h6.6 r180

## Text inside footprints (layer, text, board x,y; h text height)
MP2236: Top Overlay "*" at 22.571,16.578 h1.27 r90; Mechanical 13 "*" at 23.724,17.714 h1.27 r90